# Altium PCB BusAdaptor_final.PcbDoc (part 1 of 2) (continued)
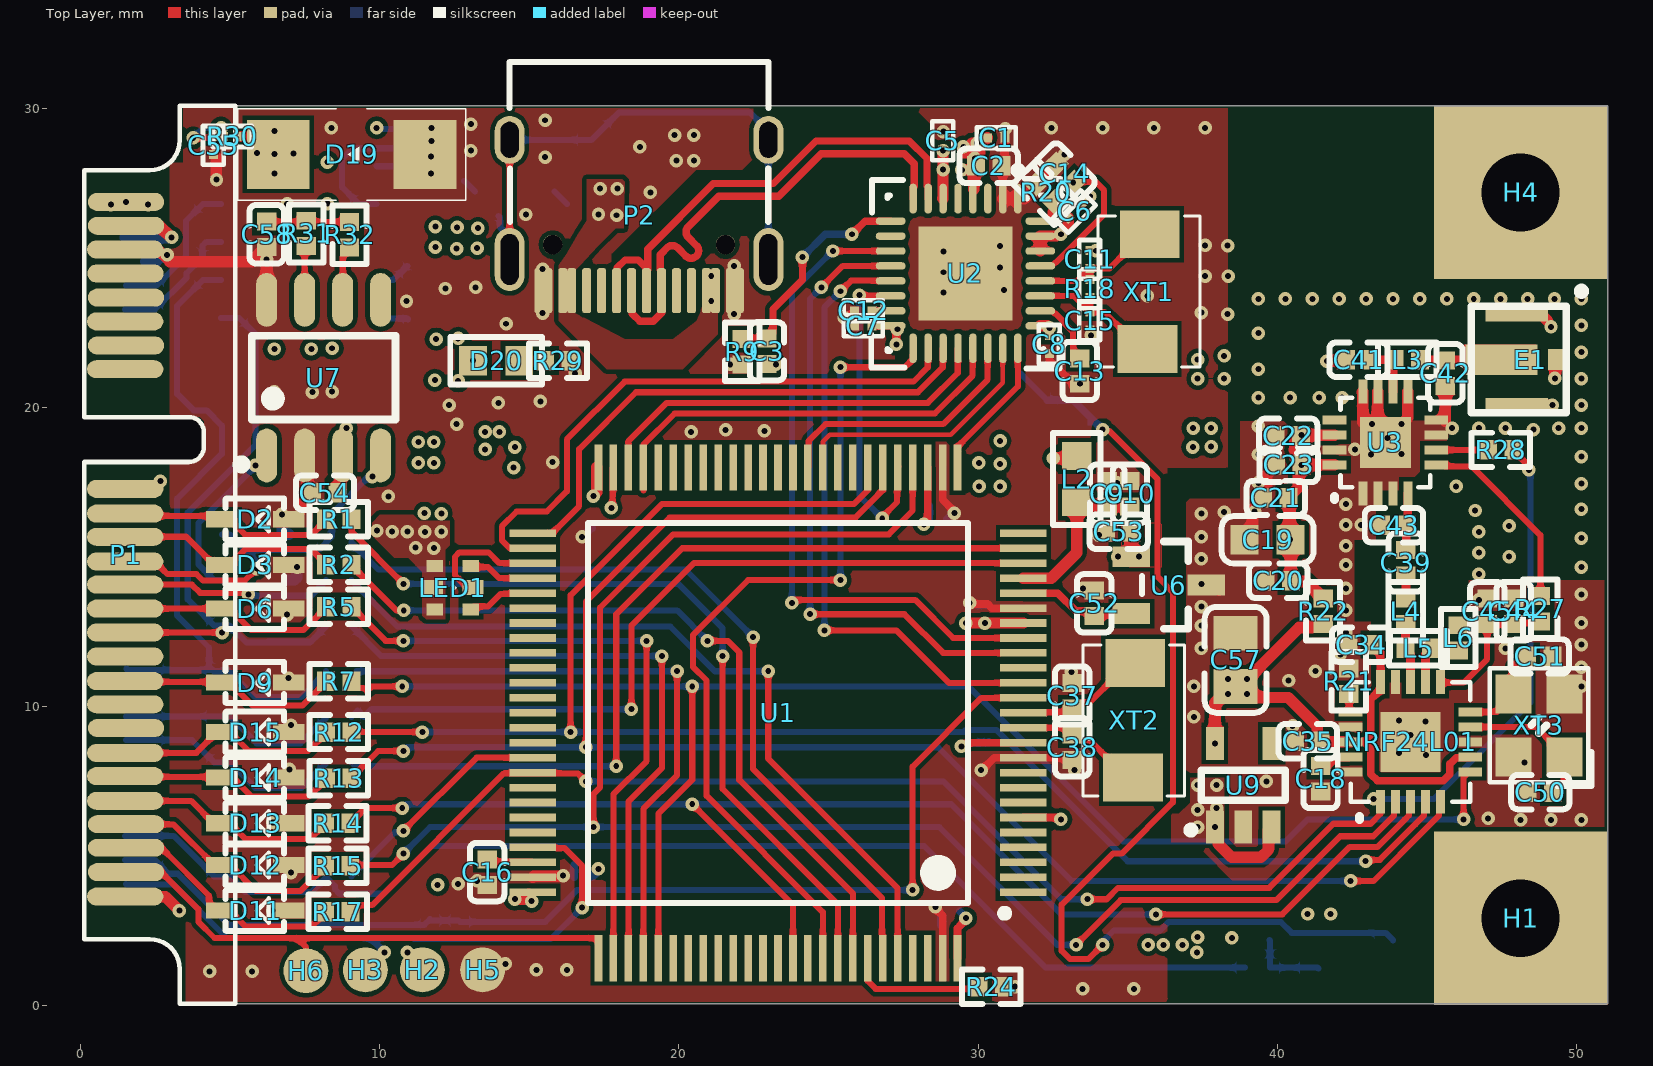
[diagram p0: Top Layer view]
## Components (designator, comment, footprint, x,y, rotation, side; value= is the part's Value field where it differs from the comment) (continued)
H5 "T" TESTPOINT 13.437,1.194 r90 top
H6 "T" TESTPOINT 7.537,1.168 r90 top
L1 "120R@100M" 0603_L 12.827,26.797 r90 bottom
L2 "1K@100MHz" 0603_L 33.299,17.6 r90 top
L3 "3.9nH" 0402_L 44.342,21.59 r0 top
L4 "3.9nH" 0402_L 44.298,13.176 r90 top
L5 "8.2nH" 0402_L 44.704,11.938 r180 top
L6 "2.7nH" 0402_L 46.05,12.287 r90 top
LED1 "RGB-1.6x1.6" RGB-1.6X1.6 12.446,13.97 r0 top
NRF24L01 "NRF24L01" QFN-20_4X4X05P 44.451,8.814 r90 top locked
P1 "MINI_PCIE" MINIPCIE 1.524,26.863 r270 top locked
P2 "TYPE_C" TYPE-C-TOP 18.669,26.416 r90 top locked
R1 "0R" 0402_R 8.636,16.256 r0 top
R2 "0R" 0402_R 8.636,14.732 r0 top
R3 "0R" 0402_R 8.636,15.494 r0 bottom
R4 "0R" 0402_R 8.636,14.224 r0 bottom
R5 "0R" 0402_R 8.636,13.335 r0 top
R6 "0R" 0402_R 8.636,12.7 r0 bottom
R7 "0R" 0402_R 8.636,10.845 r0 top
R8 "0R" 0402_R 8.636,11.176 r0 bottom
R9 "4.7K" 0402_R 22.114,21.854 r270 top
R10 "0R" 0402_R 8.636,8.128 r0 bottom
R11 "0R" 0402_R 8.636,9.652 r0 bottom
R12 "0R" 0402_R 8.636,9.144 r0 top
R13 "0R" 0402_R 8.636,7.596 r0 top
R14 "0R" 0402_R 8.592,6.096 r0 top
R15 "0R" 0402_R 8.592,4.671 r0 top
R16 "1M" 0201 14.275,26.391 r180 bottom
R17 "0R" 0402_R 8.597,3.134 r0 top
R18 "1M" 0201 33.736,23.961 r90 top
R19 "0R" 0402_R 8.636,4.318 r0 bottom
R20 "12K 1%" 0402_R 32.258,27.178 r315 top
R21 "22K 1%" 0402_R 42.393,10.846 r90 top
R22 "22K 1%" 0402_R 41.529,13.176 r270 top
R23 "510R" 0402_R 39.345,1.27 r0 bottom
R24 "10K" 0402_R 30.442,0.635 r180 top
R25 "10K" 0402_R 39.319,2.184 r180 bottom
R26 "10K" 0402_R 11.684,3.314 r270 bottom
R27 "1K" 0402_R 48.794,13.259 r270 top
R28 "1K" 0402_R 47.474,18.571 r180 top
R29 "1K" 0402_R 15.958,21.555 r180 top
R30 "0R" 0201 5.08,29.048 r0 top
R31 "60R" 0402_R 7.544,25.806 r270 top
R32 "60R" 0402_R 8.992,25.762 r270 top
T1 "S8050" SOT-23(SOT-23-3) 42.621,2.184 r180 bottom
U1 "STM32F407VGT6" TQFP-100 23.313,9.787 r180 top locked
U2 "HS USB PHY" QFN50P500X500X100-32N 29.579,24.471 r90 top locked
U3 "RFX2401C" RFX2401C 43.612,18.821 r90 top
U5 "SPX3819M5-L-3-3" SOT-23-5 12.573,17.475 r90 bottom
U6 "REF3033" SOT-23(SOT-23-3) 36.373,14.053 r180 top
U7 "SN65HVD230DR" SOIC-8_150MIL 8.128,20.989 r0 top
U8 "MAX3232CSE" SOIC-16-150MIL 7.265,24.893 r180 bottom
U9 "LP5907" SOT-23-5 38.862,7.366 r270 top
XT1 "24M" CRYSTAL-SMD-5032 35.687,21.971 r90 top
XT2 "8M" CRYSTAL-SMD-5032 35.23,11.43 r270 top
XT3 "16M" "OSC 3225-4P" 48.744,9.366 r90 top
? "Comment" WTR_LOGO 39.751,0.889 r180 bottom

## Footprints (in the part's own frame and the unit in brackets; to place one, negate y for a bottom-side part, rotate by r counter-clockwise, add the part's x,y. Pads: shape width x height; smd on the part's side, far side on the other; paste and mask are expansions set on the pad)
0201 [mm]
  rect 0.3x0.3 smd: 1(-0.3,0) 2(0.3,0)
  silkscreen extent -0.65,-0.35 0.65,0.35, body extent -0.3,-0.15 0.3,0.15, height 0.23
0402_C [mm]
  rect 0.6x0.65 smd mask+0.051: 1(-0.425,0) 2(0.425,0)
  silkscreen extent -0.97,-0.58 0.98,0.58, body extent -0.48,-0.3 0.52,0.3, height 0.2
0402_L [mm]
  rect 0.6x0.65 smd mask+0.051: 1(-0.425,0) 2(0.425,0)
  silkscreen extent -0.98,-0.57 0.98,0.58, body extent -0.51,-0.26 0.54,0.26, height 0.36
0402_R [mm]
  rect 0.6x0.65 smd mask+0.051: 1(-0.425,0) 2(0.425,0)
  silkscreen extent -0.97,-0.58 0.97,0.58, body extent -0.57,-0.27 0.58,0.28, height 0.41
0603_C [mm]
  rect 0.93x0.98 smd: 1(-0.77,0) 2(0.77,0)
  silkscreen extent -1.53,-0.79 1.54,0.79, body extent -0.8,-0.4 0.8,0.4, height 0.3
0603_L [mm]
  rect 0.93x0.98 smd: 1(-0.77,0) 2(0.77,0)
  silkscreen extent -1.53,-0.79 1.54,0.79, body extent -0.82,-0.41 0.83,0.41, height 0.46
0805_C [mm]
  rect 1.16x1.47 smd: 1(-0.89,0) 2(0.89,0)
  silkscreen extent -1.77,-1.04 1.77,1.04, body extent -1,-0.62 1,0.63, height 0.77
0805_R [mm]
  rect 1.16x1.47 smd: 1(-0.89,0) 2(0.89,0)
  silkscreen extent -1.77,-1.04 1.77,1.03, body extent -1,-0.63 1,0.62, height 0.49
1206_C [mm]
  rect 1.13x1.8 smd: 1(-1.49,0) 2(1.49,0)
  silkscreen extent -2.36,-1.2 2.35,1.2, body extent -1.6,-0.81 1.6,0.79, height 1
BUZZER_8530 [mm]
  rect 2x2 smd: 1(3.242,-3.217) 2(3.251,3.26) ""(-3.277,-3.267) ""(-3.242,3.267)
  rect 1x1.6 smd: ""(-3.759,0.009) ""(3.759,0.009)
  silkscreen extent -4.24,-4.23 4.26,4.27, body extent -4.38,-4.38 4.12,4.12, height 3
CRYSTAL-SMD-5032 [mm]
  rect 1.6x2 smd: 1(-0.025,0.025) 2(3.81,-0.051)
  silkscreen extent -0.62,-1.73 4.42,1.68, body extent -0.62,-1.63 4.38,1.57, height 1.35
HOLD [mm]
  rect 5.8x5.8 hole 2.6: 11(0,0)
IPEX [mm]
  rect 1.016x2.413 smd: 1(0,-0.508)
  rect 0.5x2.1 smd: 2(-1.524,0) 2(1.524,0)
  rect 0.7x0.7 smd: 2(0,1.397)
  Top Layer region: -0.508,-1.778 0.508,-1.778 0.508,0.635 -0.508,0.635
  silkscreen extent -2.41,-1.52 1.78,2.29, body extent -1.53,-1.4 1.47,1.7, height 1.25
MINIPCIE [mm] "30mm*50.95mm*1mm"
  oval 0.6x2.55 smd: 1(0,0) 3(0.8,0) 5(1.593,-0.029) 7(2.395,-0.021) 9(3.2,0) 11(3.993,-0.029) 13(4.8,0) 15(5.593,-0.029) 17(9.593,-0.029) 19(10.418,-0.029) 21(11.193,-0.029) 23(12.018,-0.029) 25(12.793,-0.029) 27(13.593,-0.029) 29(14.393,-0.029) 31(15.193,-0.029) 33(16.018,-0.029) 35(16.793,-0.029) 37(17.586,0) 39(18.418,-0.029) 41(19.193,-0.029) 43(20.018,-0.029) 45(20.8,0) 47(21.586,0) 49(22.4,0) 51(23.218,-0.029)
  oval 0.6x2.55 smd far side: 2(0.386,0) 4(1.193,-0.029) 6(1.993,-0.029) 8(2.8,0) 10(3.593,-0.029) 12(4.393,-0.029) 14(5.2,0) 16(5.993,-0.029) 18(10.015,0) 20(10.793,-0.029) 22(11.586,0) 24(12.386,0) 26(13.186,0) 28(13.993,-0.029) 30(14.793,-0.029) 32(15.603,0.013) 34(16.4,0) 36(17.2,0) 38(17.986,0) 40(18.786,0) 42(19.586,0) 44(20.386,0) 46(21.191,-0.038) 48(21.993,-0.029) 50(22.8,0) 52(23.586,0)
  silkscreen extent -3.21,-1.4 26.8,3.65
"OSC 3225-4P" [mm] "3.2*2.5*0.7mm(长宽高)                         淘宝ID:黄晶宝石"
  rect 1.3x1.2 smd: 1(-1.05,-0.85) 2(1.05,-0.85) 3(1.05,0.85) 4(-1.05,0.85)
  silkscreen extent -2.03,-1.75 1.91,1.65, body extent -1.6,-1.25 1.6,1.25, height 0.7
QFN50P500X500X100-32N [mm]
  rect 3.15x3.15 smd: 0(0,0)
  oval 1x0.25 smd: 1(2.5,-1.75) 2(2.5,-1.25) 3(2.5,-0.75) 4(2.5,-0.25) 5(2.5,0.25) 6(2.5,0.75) 7(2.5,1.25) 8(2.5,1.75) 17(-2.5,1.75) 18(-2.5,1.25) 19(-2.5,0.75) 20(-2.5,0.25) 21(-2.5,-0.25) 22(-2.5,-0.75) 23(-2.5,-1.25) 24(-2.5,-1.75)
  oval 0.25x1 smd: 9(1.75,2.5) 10(1.25,2.5) 11(0.75,2.5) 12(0.25,2.5) 13(-0.25,2.5) 14(-0.75,2.5) 15(-1.25,2.5) 16(-1.75,2.5) 25(-1.75,-2.5) 26(-1.25,-2.5) 27(-0.75,-2.5) 28(-0.25,-2.5) 29(0.25,-2.5) 30(0.75,-2.5) 31(1.25,-2.5) 32(1.75,-2.5)
  silkscreen extent -3.17,-3.17 3.57,3.15, body extent -2.5,-2.51 2.52,2.51, height 0.8
QFN-20_4X4X05P [mm]
  rect 2x2 smd: 0(0,0)
  rect 0.8x0.3 smd: 1(-2,1) 2(-2,0.5) 3(-2,0) 4(-2,-0.5) 5(-2,-1) 11(2,-1) 12(2,-0.5) 13(2,0) 14(2,0.5) 15(2,1)
  rect 0.3x0.8 smd: 6(-1,-2) 7(-0.5,-2) 8(0,-2) 9(0.5,-2) 10(1,-2) 16(1,2) 17(0.5,2) 18(0,2) 19(-0.5,2) 20(-1,2)
  silkscreen extent -2.6,-2 2,2, body extent -2.01,-2.01 2.01,2.01, height 0.78
RFX2401C [mm]
  rect 1.7x1.7 smd: 0(0,0)
  rect 0.8x0.3 smd: 1(-1.7,0.75) 2(-1.7,0.25) 3(-1.7,-0.25) 4(-1.7,-0.75) 9(1.7,-0.75) 10(1.7,-0.25) 11(1.7,0.25) 12(1.7,0.75)
  rect 0.3x0.8 smd: 5(-0.75,-1.7) 6(-0.25,-1.7) 7(0.25,-1.7) 8(0.75,-1.7) 13(0.75,1.7) 14(0.25,1.7) 15(-0.25,1.7) 16(-0.75,1.7)
  silkscreen extent -1.9,-1.5 1.5,1.7, body extent -1.52,-1.52 1.52,1.52, height 0.9
RGB-1.6X1.6 [mm]
  rect 0.55x0.4 smd: 1(0.6,0.725) 2(-0.6,0.725) 5(0.6,-0.725) 6(-0.6,-0.725)
  rect 0.7x0.5 smd: 3(0.675,0) 4(-0.675,0)
  Top Layer region: -0.127,0.762 -0.127,0.889
  silkscreen extent 0,-0.13 0.13,0.13
SMB [mm]
  rect 2.1x2.3 smd: 1(-2.45,0) 2(2.45,0)
  Top Layer pour cut-out: 1.524,2.159
  Top Layer region: -0.254,-0.254 -0.127,-0.254 -0.254,-0.254
  silkscreen extent -3.81,-1.52 3.81,1.52, body extent -2.7,-1.81 2.7,1.81, height 2.61
SOD323 [mm]
  rect 1.06x0.54 smd: 1(-1.118,0) 2(1.118,0)
  silkscreen extent -0.97,-0.69 0.99,0.69, body extent -1.35,-0.62 1.35,0.64, height 1.1
SOD-123FL [mm] "SODFL, 2-Leads, Body 1.80x3.70mm, IPC Medium Density"
  rect 1.25x1.2 smd: 1(-1.525,0) 2(1.525,0)
  silkscreen extent -2.1,-0.41 -0.18,0.95, body extent -1.45,-0.95 1.45,0.95, height 1.1
SOIC-8_150MIL [mm]
  oval 0.7x1.8 smd: 1(-1.905,-2.6) 2(-0.635,-2.6) 3(0.635,-2.6) 4(1.905,-2.6) 5(1.905,2.6) 6(0.635,2.6) 7(-0.635,2.6) 8(-1.905,2.6)
  silkscreen extent -2.9,-3.05 2.4,1.4, body extent -2.45,-3 2.45,3, height 1.7
SOIC-16-150MIL [mm] "SOIC, 16-Leads, Body 9.90x3.90mm, Pitch 1.27mm, IPC Medium Density"
  oval 1.45x0.6 smd: 1(-2.725,4.445) 2(-2.725,3.175) 3(-2.725,1.905) 4(-2.725,0.635) 5(-2.725,-0.635) 6(-2.725,-1.905) 7(-2.725,-3.175) 8(-2.725,-4.445) 9(2.725,-4.445) 10(2.725,-3.175) 11(2.725,-1.905) 12(2.725,-0.635) 13(2.725,0.635) 14(2.725,1.905) 15(2.725,3.175) 16(2.725,4.445)
  silkscreen extent -2.85,-5 1.6,5.42, body extent -2.9,-4.9 2.9,4.9, height 1.75
SOT-23(SOT-23-3) [mm]
  rect 1.25x0.7 smd: 1(1.25,-0.95) 2(1.25,0.95) 3(-1.25,0)
  silkscreen extent -0.65,-1.46 0.9,1.46, body extent -1.5,-1.5 1.5,1.5, height 1.3
SOT-23-5 [mm]
  rect 1.1x0.6 smd: 1(1.4,-0.95) 2(1.4,0) 3(1.4,0.95) 4(-1.4,0.95) 5(-1.4,-0.95)
  silkscreen extent -0.5,-1.87 1.62,1.4, body extent -1.25,-1.5 1.25,1.5, height 1.05
TESTPOINT [mm]
  round 1.5 smd: 1(0,0)
TQFP-100 [mm]
  rect 1.55x0.254 smd: 1(-8.2,6) 2(-8.2,5.5) 3(-8.2,5) 4(-8.2,4.5) 5(-8.2,4) 6(-8.2,3.5) 7(-8.2,3) 8(-8.2,2.5) 9(-8.2,2) 10(-8.2,1.5) 11(-8.2,1) 12(-8.2,0.5) 13(-8.2,0) 14(-8.2,-0.5) 15(-8.2,-1) 16(-8.2,-1.5) 17(-8.2,-2) 18(-8.2,-2.5) 19(-8.2,-3) 20(-8.2,-3.5) 21(-8.2,-4) 22(-8.2,-4.5) 23(-8.2,-5) 24(-8.2,-5.5) 25(-8.2,-6) 51(8.2,-6) 52(8.2,-5.5) 53(8.2,-5) 54(8.2,-4.5) 55(8.2,-4) 56(8.2,-3.5) 57(8.2,-3) 58(8.2,-2.5) 59(8.2,-2) 60(8.2,-1.5) 61(8.2,-1) 62(8.2,-0.5) 63(8.2,0) 64(8.2,0.5) 65(8.2,1) 66(8.2,1.5) 67(8.2,2) 68(8.2,2.5) 69(8.2,3) 70(8.2,3.5) 71(8.2,4) 72(8.2,4.5) 73(8.2,5) 74(8.2,5.5) 75(8.2,6)
  rect 0.254x1.55 smd: 26(-6,-8.2) 27(-5.5,-8.2) 28(-5,-8.2) 29(-4.5,-8.2) 30(-4,-8.2) 31(-3.5,-8.2) 32(-3,-8.2) 33(-2.5,-8.2) 34(-2,-8.2) 35(-1.5,-8.2) 36(-1,-8.2) 37(-0.5,-8.2) 38(0,-8.2) 39(0.5,-8.2) 40(1,-8.2) 41(1.5,-8.2) 42(2,-8.2) 43(2.5,-8.2) 44(3,-8.2) 45(3.5,-8.2) 46(4,-8.2) 47(4.5,-8.2) 48(5,-8.2) 49(5.5,-8.2) 50(6,-8.2) 76(6,8.2) 77(5.5,8.2) 78(5,8.2) 79(4.5,8.2) 80(4,8.2) 81(3.5,8.2) 82(3,8.2) 83(2.5,8.2) 84(2,8.2) 85(1.5,8.2) 86(1,8.2) 87(0.5,8.2) 88(0,8.2) 89(-0.5,8.2) 90(-1,8.2) 91(-1.5,8.2) 92(-2,8.2) 93(-2.5,8.2) 94(-3,8.2) 95(-3.5,8.2) 96(-4,8.2) 97(-4.5,8.2) 98(-5,8.2) 99(-5.5,8.2) 100(-6,8.2)
  silkscreen extent -7.7,-6.35 6.35,6.82, body extent -7.92,-7.98 8.08,8.02, height 1.6
TYPE-C-TOP [mm]
  oval 1.6x1 hole 0.6 slot 1.2 at 0 deg: 1(2.52,4.325) 2(2.52,-4.325)
  oval 2.1x1 hole 0.6 slot 1.7 at 0 deg: 3(-1.48,-4.325) 4(-1.48,4.325)
  rrect50% 1.5x0.3 smd: A1(-2.52,-3.35) A4(-2.52,-2.55) A5(-2.52,-1.25) A6(-2.52,-0.25) A7(-2.52,0.25) A8(-2.52,1.25) A9(-2.52,2.55) A12(-2.52,3.35) B1(-2.52,3.05) B4(-2.52,2.25) B5(-2.52,1.75) B6(-2.52,0.75) B7(-2.52,-0.75) B8(-2.52,-1.75) B9(-2.52,-2.25) B12(-2.52,-3.05)
  round 0.65 hole 0.65: ""(-0.98,2.89) ""(-0.98,-2.89)
  silkscreen extent -0.22,-4.33 5.12,4.33, body extent -2.64,-4.48 5.26,4.46, height 3.28
WTR_LOGO [mm]
  silkscreen extent -0.18,-0.1 33.26,11.35

## Part data
Buzzer1: "无源蜂鸣器"
C1 C2 C3 C4 C5 C6 C7 C8 C9 C10 C11 C12 C13 C14 C15 C16 C17 C18 C19 C20 C21 C22 C23 C24 C25 C26 C27 C28 C29 C30 C31 C32 C33 C34 C35 C36 C37 C38 C39 C40 C41 C42 C43 C44 C45 C46 C47 C48 C49 C50 C51 C52 C53 C54 C55 C56 C57 C58 C59 C60 C61: library part C
D1 D19: library part TVS, "BV03CW"
D2 D3 D4 D5 D6 D7 D8 D9 D10 D11 D12 D13 D14 D15 D16 D17: library part TVS
D18: library part Diode, "二极管", Package=SMA(DO-214AC), SuppliersPartNumber=C95872, ComponentLink1Description=供?, ComponentLink1URL=http://www.szlcsc.com/product/details_2841.html, Supplier=LC
E1: "Generic Antenna", LatestRevisionDate=17-Jul-2002, LatestRevisionNote="Re-released for DXP Platform.", PackageReference=PIN1, Published=24-Mar-1999, Publisher="Altium Limited"
F1: library part FUSE, "FUSE"
H1 H4: library part MECHANICAL
H2 H3 H5 H6: library part TEST_POINT
L1 L2 L3 L4 L5 L6: library part L
LED1: library part "LED-RGB 3528", "3528三基色LED"
P2: library part USB_C
R1 R2 R3 R4 R5 R6 R7 R8 R9 R10 R11 R12 R13 R14 R15 R16 R17 R18 R19 R20 R21 R22 R23 R24 R25 R26 R27 R28 R29 R30 R31 R32: library part R, "resistor"
T1: library part Triode, "NPN"
U1: "ARM Cortex-M4 32b MCU+FPU, 1024 kB Flash, 192+4 kB RAM,82 I/Os, 100-pin LQFP", Operating Frequency (Processor Speed)=168MHz, 16-bit Timers (IC/OC/PWM)=12x16-bit(24/24/30), 32-bit Timer (IC/OC/PWM)="2x32-bit (8/8/8)", A/D Converter=16x12-bit, ComponentLink1Description="Manufacturer URL", ComponentLink1URL=http://www.st.com/, ComponentLink2Description="STM32F405/7 Datasheet", ComponentLink2URL=http://www.st.com/internet/com/TECHNICAL_RESOURCES/TECHNICAL_LITERATURE/DATASHEET/DM00037051.pdf, ComponentLink3Description="STM32F4 Web Page", ComponentLink3URL=http://www.st.com/internet/mcu/subclass/1521.jsp, D/A Converter=2x12-bit, DatasheetVersion="rev2, Jan-2012", Internal RAM=192kB, Other Timer Functions="2xWDG, RTC, 24-bit down counter", PackageDescription="100-Pin Low Profile Quad Flat Package, 14x14 mm Body, 0.5 mm Pitch", PackageReference=LQFP100, PackageVersion=2012, Serial Interface="3xSPI/2xI2S/2xI2C/3xUSART(IrDa, ISO7816)/3xUART/2xUSB OTG FS/HS, 2xCAN/Ethernet MAC10/100, SDIO"
U2: library part USB3300, "高速USB外置PHY"
U3: "用AT24L01C更好"
U5: library part ME6211
U6: "REF3033电压参考源"
U8: library part RS3232
XT1 XT2: library part XTAL, "晶振"
XT3: library part XTAL-4P, "4脚无源晶振"

## Via types
v1: diameter 0.45, hole 0.2, Top Layer to Bottom Layer, tented both sides, 364 vias

## Nets (pads, with @x,y where several pads share a name; then routed paths per layer and width w, separated by ;. In a path a pad name is that pad's centre, name@x,y a point inside that pad or via, vN(x,y) a via of type N, cw(c..) or ccw(c..) an arc to the next point about the centre after c; other vN are vias at no path point)
3.3V: Buzzer1.1 C3.2 C5.2 C6.2 C7.2 C8.2 C24.2 C25.2 C26.2 C27.2 C28.2 C29.2 C30.2 C31.2 C32.2 C33.2 C36.2 C46.2 C47.2 C54.1 D18.2 D19.2 H2.1 L2.2 LED1.2 LED1.4 LED1.6 P1.3 P1.4 P1.51 R26.1 R30.2 U1.6 U1.11 U1.19 U1.28 U1.50 U1.75 U1.100 U2.6 U2.16 U2.25 U2.30 U2.31 U5.5 U7.3 | length 27.5
  Top Layer w0.254: C7.2@26.462,22.718 26.463,22.72 27.078,22.72 U2.16@27.079,22.721 27.267,22.533 v1(27.267,22.098) ; v1(28.187,16.088) 28.187,16.141 28.313,16.267 U1.28@28.313,17.987 ; U1.100@29.313,1.587 29.313,2.586 29.595,2.868 v1(29.595,2.921) ; v1(29.439,8.661) 29.492,8.661 29.617,8.787 U1.11@31.513,8.787 ; U1.6@31.513,6.287 32.649,6.287 32.713,6.223 v1(32.766,6.223)
  Top Layer w0.381: P1.51@1.495,3.645 2.832,3.645 v1(3.302,3.175) ; P1.3@1.524,26.063 1.566,26.021 2.688,26.021 3.029,25.679 v1(3.048,25.679) ; R30.2@5.38,29.048 6.011,29.048 D19.2@6.611,28.448 ; C54.1@8.597,17.145 8.702,17.25 8.702,18.328 U7.3@8.763,18.389 8.824,18.45 8.824,19.219 8.89,19.285 v1(8.89,19.304) ; v1(14.517,3.556) 14.819,3.556 U1.75@14.986,3.723 ; v1(17.145,17.031) 17.145,17.049 17.249,17.154 U1.50@17.249,17.987 ; U2.6@28.829,26.971 28.813,26.987 28.829,27.003 v1(28.829,27.94) v1(28.829,28.575) ; v1(29.591,12.787) v1(30.226,12.787) U1.19@31.513,12.787 ; U2.25@32.079,22.721 32.319,22.721 v1(32.385,22.655) ; U2.30@32.079,25.221 U2.31@32.079,25.721 v1@32.616,25.721 ; v1(32.512,18.301) 33.231,18.301 L2.2@33.299,18.37 ; v1(32.766,25.781) 32.766,25.8 33.011,26.045 C6.2@33.011,26.331
  Bottom Layer w0.254: C24.2@17.097,4.293 17.271,4.467 17.271,4.534 v1(17.309,4.572) ; C26.2@28.36,16.256 C27.2@28.36,16.706 ; C30.2@29.383,2.667 29.595,2.879 v1(29.595,2.921) 29.595,2.938 C31.2@29.383,3.15 ; v1(29.439,8.661) 29.54,8.763 29.679,8.763 29.702,8.786 30.33,8.786 C33.2@30.353,8.809
  Bottom Layer w0.381: P1.4@1.495,25.67 1.5,25.675 3.043,25.675 v1(3.048,25.679)
  other v1: 10.922,1.778 37.311,1.778 35.687,2.032 36.195,2.032 36.83,2.032 37.338,2.286 15.082,3.492 11.938,4.038 11.201,15.303 11.811,15.287 11.511,15.831 10.414,15.838 10.922,15.838 12.065,15.838 9.906,15.875 12.065,16.445 11.494,16.461 37.176,18.669 37.792,18.686 37.186,19.304 37.792,19.304 37.338,20.955 38.227,20.955 23.241,21.429 37.338,21.59 38.227,21.717 27.305,22.606 6.477,27.813 6.477,28.468 7.112,28.473 5.893,28.499 6.477,29.237
3.3VA: C9.1 C10.1 L2.1 U1.22 | length 5.7
  Top Layer w0.381: U1.22@31.513,14.287 31.518,14.282 32.443,14.282 33.299,15.138 L2.1@33.299,16.83 33.372,16.757 34.315,16.757 35.003,16.757 C10.1@35.076,16.684
3.3VPA: C19.2 C20.2 C21.2 C22.2 C23.2 R22.1 U3.14 U3.16 | length 8.8
  Top Layer w0.381: R22.1@41.529,13.601 40.956,14.174 40.455,14.174 C20.2@40.455,14.199 40.45,14.204 40.45,15.565 C19.2@40.445,15.57 40.412,15.603 40.412,16.934 C21.2@40.379,16.967 40.379,16.992 40.702,17.315 40.702,17.962 v1(40.811,18.071) ; U3.16@41.912,18.071 v1(40.811,18.071) ; U3.14@41.912,19.071 41.905,19.064 v1(40.802,19.064) C22.2@40.787,19.05 40.58,18.843 40.58,18.583 40.57,18.573 40.604,18.538 40.604,18.278 v1(40.811,18.071)
  other v1: 40.428,15.587
3.3VREF: C52.2 U1.21 U6.2 | length 4
  Top Layer w0.254: U1.21@31.513,13.787 32.669,13.787 33.265,13.191 33.711,13.191 C52.2@33.884,13.018 33.926,13.061 35.08,13.061 U6.2@35.123,13.103
3.3VRF: C34.2 C35.2 C57.2 NRF24L01.7 NRF24L01.15 NRF24L01.18 R22.2 U9.5 | length 20.1
  Top Layer w0.254: NRF24L01.18@42.451,8.814 42.474,8.837 42.919,8.837 43.13,9.048 43.13,10.243 43.451,10.564 NRF24L01.15@43.451,10.814 43.451,11.813 43.224,12.04 C34.2@43.224,12.065 ; 42.919,8.791 43.13,8.58 43.13,7.739 43.351,7.518 45.55,7.518 45.766,7.734 45.766,8.075 45.982,8.291 46.428,8.291 NRF24L01.7@46.451,8.314
  Top Layer w0.381: v1(37.912,8.766) 37.912,10.126 38.277,10.491 C57.2@38.402,10.616 ; v1(38.354,10.922) C57.2@38.483,10.792 ; C57.2@38.531,10.744 C57.2@38.608,10.667 ; R22.2@41.529,12.751 41.42,12.641 40.737,12.641 39.004,10.908 38.763,10.667 C57.2@38.608,10.667 ; NRF24L01.18@42.451,8.814 42.444,8.821 41.461,8.821 C35.2@41.446,8.836 41.337,8.945 41.337,9.327 40.365,10.299 39.104,10.299 v1(38.989,10.414) 38.861,10.414 C57.2@38.608,10.667
  other v1: 38.354,10.414 38.989,10.922
5V: C1.1 C2.1 C48.2 C49.2 C53.2 D1.2 D20.2 L1.1 P1.1 P1.2 U2.4 U5.1 U5.3 U6.1 U9.1 U9.3 | length 7
  Top Layer w0.381: v1(29.458,27.933) 29.819,27.933 C2.1@29.861,27.975 ; U2.4@29.861,27.281 C2.1@29.861,27.975 ; C2.1@29.928,28.067 29.928,28.042 C2.1@29.861,27.975 ; 30.053,28.499 29.511,28.499 29.511,28.544 29.796,28.829 v1(29.972,28.829) 30.134,28.829 C1.1@30.307,29.002 ; C53.2@35.121,15.838 35.121,15.004 U6.1@35.123,15.003 ; v1(37.912,5.966) 38.022,5.856 38.022,5.412 38.481,4.953 39.45,4.953 39.703,5.206 39.703,5.856 U9.3@39.812,5.966
  other v1: 37.338,5.969 37.338,6.54 37.973,6.604 37.338,7.366 37.973,7.366 34.671,15.003 35.382,15.003 30.037,17.355 30.734,17.355 14.478,17.98 30.734,18.107 11.296,18.139 11.811,18.139 30.026,18.139 13.523,18.593 14.517,18.669 11.296,18.837 11.811,18.837 30.734,18.872 13.523,19.177 13.997,19.177 12.624,20.879 11.846,20.904 13.124,21.555 11.887,22.276 12.624,22.301 12.573,25.298 13.259,25.319 11.862,25.349 13.284,25.984 12.586,26.01 11.862,26.035 1.016,26.772 2.261,26.772 1.524,26.863 29.889,28.321 29.511,28.702
232RX: P1.10 U8.13 | length 4.5
  Bottom Layer w0.203: P1.10@1.495,23.27 2.489,23.27 3.545,24.325 3.545,24.486 4.077,25.019 4.077,25.398 4.206,25.527 U8.13@4.699,25.527
  other v1: 6.477,21.946
232TX: P1.8 U8.14 | length 5
  Bottom Layer w0.203: P1.8@1.524,24.063 2.541,24.063 3.527,25.049 3.527,26.225 4.099,26.797 U8.14@4.699,26.797
GND: C1.2 C2.2 C4.1 C5.1 C6.1 C7.1 C8.1 C9.2 C10.2 C11.1 C12.1 C13.1 C14.1 C15.1 C16.1 C17.1 C18.2 C19.1 C20.1 C21.1 C22.1 C23.1 C24.1 C25.1 C26.1 C27.1 C28.1 C29.1 C30.1 C31.1 C32.1 C33.1 C34.1 C35.1 C36.1 C37.1 C38.1 C40.1 C41.1 C42.1 C43.1 C44.1 C45.1 C46.1 C47.1 C48.1 C49.1 C50.1 C51.1 C52.1 C53.1 C54.2 C55.2 C56.2 C57.1 C58.1 C59.2 D1.1 D2.1 D3.1 D4.1 D5.1 D6.1 D7.1 D8.1 D9.1 D10.1 D11.1 D12.1 D13.1 D14.1 D15.1 D16.1 D17.1 D19.1 E1.2 H5.1 NRF24L01.0 NRF24L01.8 NRF24L01.14 NRF24L01.17 NRF24L01.20 P1.5 P1.6 P1.17 P2.A1 P2.A12 P2.B1 P2.B12 R9.2 R16.1 R20.1 R21.2 R24.1 R25.2 R29.1 T1.2 U1.10 U1.20 U1.27 U1.74 U1.99 U2.0 U2.1 U2.2 U3.0 U3.1 U3.2 U3.3 U3.7 U3.8 U3.9 U3.11 U3.12 U3.15 U5.2 U6.3 U7.2 U7.8 U8.15 U9.2 XT3.2 XT3.4 | length 48.3
  Top Layer w0.254: D2.1@6.96,16.256 7.22,16.256 7.363,16.399 7.363,16.703 ; v1(25.527,22.987) 25.565,23.025 25.666,23.025 C12.1@25.862,23.221 ; v1(28.574,3.302) 28.574,3.249 28.813,3.01 U1.99@28.813,1.587 ; U1.27@28.813,17.987 28.813,16.911 29.21,16.514 v1(29.21,16.461) ; v1(29.718,13.462) 29.756,13.424 30.317,13.424 30.454,13.287 U1.20@31.513,13.287 ; v1(30.099,7.874) 30.13,7.874 30.543,8.287 U1.10@31.513,8.287 33.071,8.287 C38.1@33.147,8.211 ; U2.2@30.829,26.971 U2.2@30.829,26.971 30.827,28.018 C2.2@30.778,28.067 30.884,28.173 30.884,28.979 C1.2@30.907,29.002 v1(30.907,29.312) ; C8.1@32.385,21.798 32.385,21.569 33.17,20.784 33.218,20.784 33.401,20.967 v1(33.401,20.784) ; C14.1@32.592,28.114 32.592,28.129 32.896,28.433 v1(32.896,28.448) ; C6.1@33.435,26.755 33.438,26.755 33.734,27.051 v1(33.736,27.051) ; v1(40.513,9.347) 40.551,9.31 40.551,8.881 C35.1@40.596,8.836 ; v1(42.113,11.735) 42.113,11.779 42.374,12.04 C34.1@42.374,12.065 ; v1(42.799,16.07) 42.807,16.061 43.465,16.061 C43.1@43.474,16.053
  Top Layer w0.381: P1.5@1.495,25.27 2.585,25.27 2.988,24.867 5.734,24.867 C58.1@6.223,25.356 ; C55.2@4.445,28.448 4.533,28.36 4.533,27.623 v1(4.547,27.61) ; U7.8@6.223,23.589 v1(6.223,24.936) ; 7.363,16.703 7.379,16.719 7.379,16.752 7.747,17.12 C54.2@7.747,17.145 7.747,17.17 7.554,17.363 7.554,18.328 U7.2@7.493,18.389 ; U1.74@15.113,4.287 15.143,4.317 16.084,4.317 16.11,4.343 v1(16.129,4.343) ; R29.1@16.383,21.555 16.492,21.445 16.492,21.194 16.535,21.151 v1(16.535,21.133) ; U2.2@30.829,26.971 U2.1@31.329,26.971 31.543,26.971 31.957,27.385 R20.1@31.957,27.479 C14.1@32.592,28.114 ; U6.3@37.696,14.126 U6.3@37.623,14.053 37.898,14.053 U6.3@38.064,13.887 ; C57.1@38.064,12.837 38.453,12.447 C57.1@38.608,12.447 ; C19.1@38.905,15.545 C19.1@38.905,15.57 39.179,15.845 39.179,16.592 39.529,16.942 C21.1@39.529,16.967 39.639,17.077 39.639,17.724 39.949,18.035 39.949,18.179 39.776,18.352 39.776,18.793 39.949,18.966 39.949,19.038 C22.1@39.937,19.05 ; v1(41.656,21.538) 41.669,21.552 42.253,21.552 C41.1@42.291,21.59 ; U3.0@42.854,19.494 42.854,20.476 42.836,20.494 U3.12@42.862,20.521 ; U3.0@43.355,19.431 43.355,20.514 U3.11@43.362,20.521 ; v1(44.148,19.431) 44.355,19.638 44.355,20.514 U3.9@44.362,20.521 ; U3.8@45.619,19.53 C42.1@45.619,20.708 ; E1.2@48.006,20.066 v1(49.193,20.066) ; E1.2@48.006,23.114 48.806,23.114 E1.2@49.022,22.898 ; v1(49.276,20.967) 49.289,20.98 49.289,21.476 E1.2@49.403,21.59
  Bottom Layer w0.254: C24.1@16.497,4.293 C25.1@16.497,4.699 ; v1(16.764,15.67) 16.788,15.67 17.074,15.955 C17.1@17.098,15.955 ; v1(28.574,3.302) 28.574,3.249 28.76,3.063 28.76,2.69 C30.1@28.783,2.667 ; C26.1@28.96,16.256 29.165,16.461 v1(29.21,16.461) ; v1(29.718,13.462) 29.771,13.462 29.829,13.404 30.233,13.404 C28.1@30.256,13.381
  Bottom Layer w0.381: P1.6@2.184,24.87 2.529,24.87 2.686,25.027 2.809,25.027 2.877,25.095 v1(2.896,25.095) ; v1(4.547,27.61) U8.15@4.547,27.915 ; v1(6.731,16.422) 6.744,16.409 6.744,15.827 6.824,15.748 D4.1@6.96,15.748 ; D5.1@6.96,14.224 7.146,14.224 7.226,14.303 7.226,14.639 v1(7.239,14.652)
  other v1: 33.491,0.558 35.205,0.558 31.242,0.635 4.318,1.143 5.734,1.143 15.24,1.194 16.258,1.194 14.199,1.397 38.481,2.261 41.012,3.063 41.783,3.063 6.426,3.175 12.624,4.07 13.259,4.166 7.036,4.445 6.426,6.121 48.133,6.209 49.149,6.209 50.165,6.209 47.049,6.261 39.639,7.493 33.223,7.869 6.985,7.899 48.26,8.128 44.969,8.382 44.069,8.445 44.451,9.048 7.036,9.373 44.951,9.497 44.069,9.525 37.211,9.652 37.211,10.668 50.165,10.668 40.379,10.866 6.96,10.947 33.118,11.151 41.275,11.176 50.165,11.303 37.465,11.938 47.625,11.938 50.165,12.065 42.291,12.47 37.465,12.7 50.165,12.792 6.909,13.066 42.291,13.208 37.465,13.335 46.736,13.56 50.165,13.741 33.503,13.945 42.291,13.945 37.465,14.097 46.736,14.421 50.165,14.652 42.291,14.732 37.465,14.928 47.752,15.003 46.736,15.138 42.291,15.367 50.165,15.621 37.465,15.67 34.036,15.722 46.736,15.831 47.752,16.036 42.291,16.07 37.46,16.445 38.227,16.49 39.243,16.51 46.609,16.547 50.165,16.592 42.291,16.764 10.287,17.018 45.974,17.355 50.165,17.445 34.646,17.475 39.37,17.469 2.667,17.526 15.779,18.161 50.165,18.352 39.37,18.419 43.139,18.415 44.148,18.439 42.596,18.593 43.688,18.977 20.409,19.177 22.86,19.206 21.559,19.244 48.56,19.253 45.847,19.304 46.736,19.304 47.625,19.304 49.403,19.304 50.165,19.304 39.37,19.37 12.573,19.431 43.166,19.435 12.319,20.066 50.165,20.066 13.97,20.146 15.367,20.193 39.37,20.32 40.428,20.32 41.402,20.32 42.164,20.32 7.747,20.501 6.477,20.521 8.409,20.519 50.165,20.955 39.37,21.27 21.717,21.429 50.165,21.844 33.782,22.398 39.37,22.479 49.149,22.688 50.165,22.733 14.224,22.789 21.844,23.114 38.344,23.114 15.443,23.147 37.46,23.162 10.897,23.546 39.37,23.622 40.27,23.622 41.169,23.622 42.069,23.622 42.968,23.622 43.868,23.622 44.767,23.622 45.667,23.622 46.567,23.622 47.466,23.622 48.366,23.622 49.265,23.622 50.165,23.622 35.662,23.721 28.837,23.841 30.867,23.923 12.192,23.968 13.208,24.003 37.588,24.384 38.354,24.384 28.837,24.511 15.443,24.616 30.734,24.669 21.844,24.721 28.837,25.197 33.935,25.229 30.734,25.381 37.588,25.406 38.344,25.4 14.884,26.441 6.909,26.797 19.05,27.178 11.709,27.813 19.919,28.241 20.502,28.241 11.709,28.381 15.533,28.36 13.046,28.575 18.699,28.702 11.735,28.905 19.855,29.091 20.502,29.091 28.837,29.21 8.382,29.337 11.726,29.337 32.448,29.337 34.163,29.337 35.877,29.337 37.592,29.337 13.046,29.464 15.533,29.591
LED_B: LED1.5 U1.55 | length 2.3
  Top Layer w0.203: LED1.5@13.046,13.245 13.144,13.343 13.626,13.343 14.044,13.762 15.088,13.762 U1.55@15.113,13.787
LED_G: LED1.3 U1.53 | length 4.2
  Top Layer w0.203: LED1.3@13.121,13.97 12.973,14.118 12.788,14.118 12.517,14.39 12.517,15 12.666,15.149 13.638,15.149 14,14.787 U1.53@15.113,14.787
LED_R: LED1.1 U1.54 | length 2.2
  Top Layer w0.203: LED1.1@13.046,14.695 13.083,14.658 13.626,14.658 13.997,14.287 U1.54@15.113,14.287
NetBuzzer1_2: Buzzer1.2 D18.1 T1.3 | length 35.6
  Top Layer w0.203: v1(34.162,19.253) 34.209,19.206 34.388,19.206 36.002,17.593 36.002,14.328 36.509,13.821 36.509,6.791 34.8,5.082 34.504,5.082 32.795,3.373 32.795,1.834 33.076,1.553 33.684,1.553 v1(34.163,2.032)
  Bottom Layer w0.203: Buzzer1.2@31.411,21.133 Buzzer1.2@32.309,20.234 ; v1@34.201,2.172 34.54,2.511 36.081,2.511 36.359,2.789 40.124,2.789 40.48,2.433 43.623,2.433 T1.3@43.871,2.184
  Bottom Layer w0.254: Buzzer1.2@32.309,20.234 33.181,20.234 v1(34.162,19.253)
NetC3_1: C3.1 R9.1 U2.9 | length 7.5
  Top Layer w0.247: R9.1@22.114,22.279 22.121,22.285 22.94,22.285 C3.1@22.946,22.291 22.971,22.291 23.148,22.468 23.148,23.275 24.13,24.257 v1(24.13,25.019) ; v1(25.781,25.781) 26.22,26.22 U2.9@27.079,26.221
  Bottom Layer w0.247: v1(24.13,25.019) 24.892,25.781 v1(25.781,25.781)
NetC4_2: C4.2 P2.1 P2.2 P2.3 P2.4 R16.2 | length 19.2
  Top Layer w0.203: P2.4@14.344,24.936 P2.1@14.344,28.936
  Bottom Layer w0.203: R16.2@13.975,26.391 14.023,26.342 14.023,26.022 14.344,25.702 P2.4@14.344,24.936 ; P2.1@14.344,28.936 17.084,28.936 18.004,29.856 22.374,29.856 22.994,29.236 P2.2@22.994,28.936 P2.3@22.994,24.936
NetC11_2: C11.2 R18.2 U2.28 XT1.2 | length 4.7
  Top Layer w0.203: U2.28@32.079,24.221 33.318,24.221 C11.2@33.736,24.639 ; R18.2@33.736,24.261 C11.2@33.736,24.639 ; XT1.2@35.738,25.781 35.538,25.781 34.396,24.639 C11.2@33.736,24.639
NetC12_2: C12.2 U2.15 | length 0.6
  Top Layer w0.203: C12.2@26.462,23.221 U2.15@27.079,23.221